# Altium PCB datalogger.PcbDoc (continued)
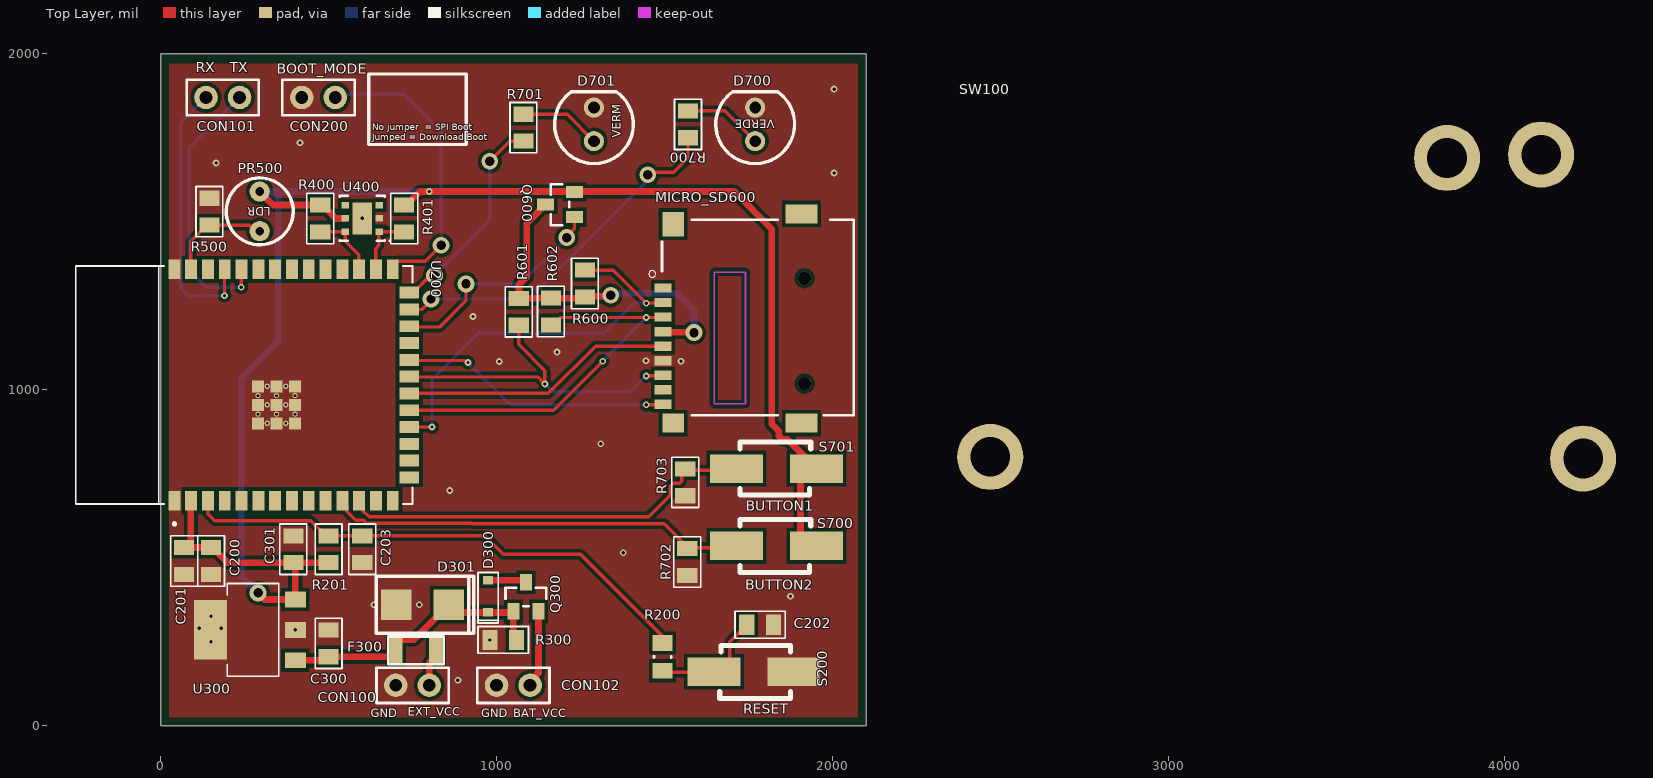
[diagram p0: Top Layer view]
## Part data (continued)
D701: library part CMP-008-000003-1, "LED RED DIFFUSED T-1 3/4 T/H", Case/Package=Radial, Color=Red, Current=60mA, Current - Test=10mA, Forward Current=30mA, Forward Voltage=2V, Manufacturer="Lite-On Inc.", Manufacturer Part Number=LTL-4223, Max Operating Temperature=100°C, Max Power Dissipation=100mW, Millicandela Rating=19mcd, Min Operating Temperature=-55°C, Package Quantity=1000, Reverse Voltage=5V, Supplier Device Package="T-1 3/4", Voltage=3V, Category=Optoelectronics, ComponentLink1Description=http://media.digikey.com/pdf/Data%20Sheets/Lite-On%20PDFs/LTL-4223.pdf, ComponentLink1URL=http://media.digikey.com/pdf/Data%20Sheets/Lite-On%20PDFs/LTL-4223.pdf, ComponentLink2Description=https://datasheet.ciiva.com/2112/ltl-4223-2112280.pdf?src-supplier=Digi-Key, ComponentLink2URL=https://datasheet.ciiva.com/2112/ltl-4223-2112280.pdf?src-supplier=Digi-Key, ComponentLink3Description=https://datasheet.ciiva.com/16205/lite-on20ltl-4223-16205594.pdf?src-supplier=Future+Electronics, ComponentLink3URL=https://datasheet.ciiva.com/16205/lite-on20ltl-4223-16205594.pdf?src-supplier=Future+Electronics, ComponentLink4Description=https://datasheet.ciiva.com/19482/697602-19482428.pdf?src-supplier=Jameco, ComponentLink4URL=https://datasheet.ciiva.com/19482/697602-19482428.pdf?src-supplier=Jameco, Depth=5.6mm, Design Item ID="LED RED DIFF 5MM ROUND T/H", Diameter=5mm, Dominant Wavelength=623nm, Features=-, Height=8.6mm, Height (Max)=8.60mm, Illumination Color=Red, Lead Free="Lead Free", Length=5.6mm, Lens Color=Red, Lens Style=Dome,Diffused,Colored,Circular, Lens Style/Size="Round with Domed Top, 5mm (T-1 3/4), 5.00mm", Lens Transparency=Diffused, Luminous Intensity=19mcd, Mount="Through Hole", Mounting Type="Through Hole", Number of Elements=1, Number of LEDs=1, Number of Pins=2, Package / Case=Radial, Packaging=Bulk, Part Status=Active, Power Dissipation=100mW, Power Rating=100mW, Pricing 1="1=0.36, 10=0.262, 25=0.1932, 100=0.138, 250=0.09384, 500=0.0828, 1000=0.06486, 2500=0.06348, 5000=0.0552 (USD)", Pricing 2="1=0,12000, 10=0,08000, 100=0,07100, 1000=0,06400, 2500=0,05600, 10000=0,05000 (USD)", Radiation Hardening=No, RoHS="RoHS Compliant", Size / Dimension=-, Source=mits.SchLib, Stock 1=32305, Stock 2=9769, Test Current=10mA, Viewing Angle=36°, Voltage - Forward (Vf) (Typ)=2V, Wavelength=635nm, Wavelength - Dominant=623nm, Wavelength - Peak=635nm, Width=5.6mm
F300: library part CMP-005-00014-2, "PTC Resettable Fuse 0.35A(hold) 0.75A(trip) 16VDC 40A 0.4W 0.1s 0.3Ohm SMD Solder Pad 1206 T/R Automotive", Case Code (Imperial)=1206, Case Code (Metric)=3216, Hold Current=350mA, Max Current Rating=40A, Max Operating Temperature=85°C, Min Operating Temperature=-40°C, Package Quantity=1, Trip Current=750mA, Case/Package=1206, Lead Free="Lead Free", Mount="Surface Mount", Packaging="Cut Tape", RoHS Compliant=Yes, Series=0ZCJ, Time to Trip=100ms
MICRO_SD600: library part CMP-030-000000-1, "Standard Card Edge Connectors", Package=Package, Availability="Not in stock", Check_prices=https://www.snapeda.com/parts/TF-01A/HRO+Electronics+Co.%252C+Ltd./view-part/?ref=eda, Component Type=Standard, Design Item ID=TF-01A, MF="HRO Electronics Co., Ltd.", MP=TF-01A, Pin Count=13, Price=None, SnapEDA_Link=https://www.snapeda.com/parts/TF-01A/HRO+Electronics+Co.%252C+Ltd./view-part/?ref=snap, Source=TF-01A.SchLib
PR500: library part CMP-017-000003-1, "THROUGH HOLE PHOTORESISTORS ROHS", Manufacturer 1="JCHL(Shenzhen Jing Chuang He Li Tech)", Manufacturer Part Number 1=GL5506(4-7K), Design Item ID="LDR GL5506(4-7K) SMD", Source=mits.SchLib
Q300 Q600: "Small Low ON Resistance MOSFET P-Channel 20V 6A 3-Pin SOT-23F T/R", Manufacturer=Toshiba, Manufacturer Part Number=SSM3J358R,LF, Category=MOSFETs, ComponentLink1Description=https://datasheet.ciiva.com/30023/dmp31d0u-30023794.pdf?src-supplier=Avnet, ComponentLink1URL=https://datasheet.ciiva.com/30023/dmp31d0u-30023794.pdf?src-supplier=Avnet, Pricing 1="3000=0,10175, 6000=0,09625, 12000=0,09075, 18000=0,08525, 24000=0,07975, 30000=0,07425, 300000=0,06875 (USD)", RoHS=No, Stock 1=12000, Supplier 1=Avnet, Supplier 2=LCSC, Supplier Part Number 1=SSM3J358R,LF, Supplier Part Number 2=C148356
R200: library part CMP-009-00001-6, "Chip Resistor, 0 Ohm, +/- 1%, 125 mW, -55 to 155 degC, 0805 (2012 Metric)", Case/Package=0805, Max Operating Temperature=155°C, Min Operating Temperature=-55°C, Power=125mW, Tolerance=1%, Voltage Rating=150V, Mounting Technology=SM, Pins=2, RoHS Compliant=True
R201 R300 R500 R600 R601 R602: library part CMP-018-000030-1, "RES 0805 10K Ohm 0.1% 1/10W  SMD", Case Code (Imperial)=0805, Case Code (Metric)=2012, Manufacturer="Panasonic Electronic Components", Manufacturer Part Number=ERJ-6ENF1002V, Max Operating Temperature=155°C, Max Power Dissipation=125mW, Min Operating Temperature=-55°C, Number of Resistors=1, Operating Temperature="-55°C ~ 155°C", Package / Case="0805 (2012 Metric)", Package Quantity=5000, Power (Watts)="0.125W, 1/8W", Resistance=10kR, Resistance (Ohms)=10k, Temperature Coefficient=±100ppm/°C, Tolerance=±1%, Voltage Rating=150V, Case/Package=0805, Category=Resistors, ComponentLink1Description=https://industrial.panasonic.com/cdbs/www-data/pdf/RDA0000/AOA0000C283.pdf, ComponentLink1URL=https://industrial.panasonic.com/cdbs/www-data/pdf/RDA0000/AOA0000C283.pdf, ComponentLink2Description=https://datasheet.ciiva.com/11808/0900766b80f80784-11808080.pdf?src-supplier=RSComponents, ComponentLink2URL=https://datasheet.ciiva.com/11808/0900766b80f80784-11808080.pdf?src-supplier=RSComponents, ComponentLink3Description=https://datasheet.ciiva.com/16514/aoa0000ce2-16514021.pdf?src-supplier=Avnet+Asia, ComponentLink3URL=https://datasheet.ciiva.com/16514/aoa0000ce2-16514021.pdf?src-supplier=Avnet+Asia, ComponentLink4Description=https://datasheet.ciiva.com/27055/1988971-27055733.pdf?src-supplier=Jameco, ComponentLink4URL=https://datasheet.ciiva.com/27055/1988971-27055733.pdf?src-supplier=Jameco, ComponentLink5Description=https://datasheet.ciiva.com/16759/70260748-16759350.pdf?src-supplier=Allied+Electronics, ComponentLink5URL=https://datasheet.ciiva.com/16759/70260748-16759350.pdf?src-supplier=Allied+Electronics, ComponentLink6Description=https://datasheet.ciiva.com/16725/70260748-16725031.pdf?src-supplier=Allied+Electronics, ComponentLink6URL=https://datasheet.ciiva.com/16725/70260748-16725031.pdf?src-supplier=Allied+Electronics, ComponentLink7Description=https://datasheet.ciiva.com/46372/1678782-46372714.pdf?src-supplier=Element14, ComponentLink7URL=https://datasheet.ciiva.com/46372/1678782-46372714.pdf?src-supplier=Element14, ComponentLink8Description=https://datasheet.ciiva.com/46372/1678782-46372715.pdf?src-supplier=Element14, ComponentLink8URL=https://datasheet.ciiva.com/46372/1678782-46372715.pdf?src-supplier=Element14, ComponentLink9Description=https://datasheet.ciiva.com/7830/426256-7830745.pdf?src-supplier=Element14, ComponentLink9URL=https://datasheet.ciiva.com/7830/426256-7830745.pdf?src-supplier=Element14, ComponentLink10Description=https://datasheet.ciiva.com/17212/aoa0000ce2-17212108.pdf?src-supplier=Avnet+Europe, ComponentLink10URL=https://datasheet.ciiva.com/17212/aoa0000ce2-17212108.pdf?src-supplier=Avnet+Europe, ComponentLink11Description=https://datasheet.ciiva.com/30140/aoa0000ce2-30140236.pdf?src-supplier=Onlinecomponents.com, ComponentLink11URL=https://datasheet.ciiva.com/30140/aoa0000ce2-30140236.pdf?src-supplier=Onlinecomponents.com, ComponentLink12Description=https://datasheet.ciiva.com/24070/aoa0000ce2-24070702.pdf?src-supplier=Mouser, ComponentLink12URL=https://datasheet.ciiva.com/24070/aoa0000ce2-24070702.pdf?src-supplier=Mouser, ComponentLink13Description=https://datasheet.ciiva.com/16723/70063741-16723029.pdf?src-supplier=Allied+Electronics, ComponentLink13URL=https://datasheet.ciiva.com/16723/70063741-16723029.pdf?src-supplier=Allied+Electronics, ComponentLink14Description=https://datasheet.ciiva.com/24440/eng-ds-1773270-l-24440188.pdf?src-supplier=Onlinecomponents.com, ComponentLink14URL=https://datasheet.ciiva.com/24440/eng-ds-1773270-l-24440188.pdf?src-supplier=Onlinecomponents.com, ComponentLink15Description=https://datasheet.ciiva.com/7731/eng-ds-1773270-l-7731311.pdf?src-supplier=Element14, ComponentLink15URL=https://datasheet.ciiva.com/7731/eng-ds-1773270-l-7731311.pdf?src-supplier=Element14, ComponentLink16Description=https://datasheet.ciiva.com/14181/jcrn73-data-e-14181423.pdf?src-supplier=Distrelec, ComponentLink16URL=https://datasheet.ciiva.com/14181/jcrn73-data-e-14181423.pdf?src-supplier=Distrelec, Composition="Thick Film", Contact Plating=Tin, Depth=1.25mm, Design Item ID="RES 10K OHM 1% 1/8W 0805 SMD", ELV=Compliant, Failure Rate=-, Features="Automotive AEC-Q200", Height=0.6mm, Height - Seated (Max)="0.028\" (0.70mm)", Lead Free="Lead Free", Length=2mm, Military Standard=Not, Mount="Surface Mount", Number of Pins=2, Number of Terminations=2, Packaging="Cut Tape (CT)", Part Status=Active, Power Rating=125mW, Pricing 1="1=0.1, 10=0.036, 25=0.0264, 50=0.02, 100=0.0148, 250=0.01124, 500=0.009, 1000=0.00663 (USD)", Pricing 2="1=1,68000, 10=1,48900, 100=1,13720, 1000=0,73645 (USD)", Radiation Hardening=No, REACH SVHC="No SVHC", RoHS="RoHS Compliant", Size / Dimension="0.079\" L x 0.049\" W (2.00mm x 1.25mm)", Source=mits.SchLib, Stock 1=2392770, Stock 2=1650, Supplier Device Package=0805, Termination=SMD/SMT, Voltage Rating (DC)=150V, Width=0.049inch, Working Voltage=150V
R400 R401: library part CMP-018-000099-1, "RES SMD 10.5K OHM 0.1% 1/8W 0805", Manufacturer="Panasonic Electronic Components", Manufacturer Part Number=ERA-6AEB1052V, Operating Temperature="-55°C ~ 155°C", Package / Case="0805 (2012 Metric)", Power (Watts)="0.125W, 1/8W", Resistance (Ohms)=10.5k, Supplier Device Package=0805, Temperature Coefficient=±25ppm/°C, Tolerance=±0.1%, Category=Resistors, ComponentLink1Description=http://media.digikey.com/pdf/Data%20Sheets/Panasonic%20Electronic%20Components/ERA%201A,2A,3A,6A,8A.pdf, ComponentLink1URL=http://media.digikey.com/pdf/Data%20Sheets/Panasonic%20Electronic%20Components/ERA%201A,2A,3A,6A,8A.pdf, Composition="Thin Film", Design Item ID="RES 10K5 OHM 0.1% 1/8W 0805 SMD", Features="Automotive AEC-Q200", Height="0.024\" (0.60mm)", Number of Terminations=2, Packaging="Cut Tape (CT)", Part Status=Active, Pricing 1="1=0.63, 50=0.2494, 100=0.1924, 250=0.14964, 500=0.10546, 1000=0.07695 (USD)", RoHS="RoHS Compliant", Size / Dimension="0.079\" L x 0.049\" W (2.00mm x 1.25mm)", Source=mits.SchLib, Stock 1=1614
R700 R701: library part CMP-018-000057-1, "RES SMD 220 OHM 5% 1/8W 0805", Manufacturer="Panasonic Electronic Components", Manufacturer 2="UNI-ROYAL(Uniroyal Elec)", Manufacturer Part Number=ERJ-6GEYJ221V, Manufacturer Part Number 2=0805W8F2200T5E, Operating Temperature="-55°C ~ 155°C", Package / Case="0805 (2012 Metric)", Power (Watts)="0.125W, 1/8W", Resistance (Ohms)=220, Supplier Device Package=0805, Temperature Coefficient=±200ppm/°C, Tolerance=±5%, Category=Resistors, ComponentLink1Description=http://industrial.panasonic.com/www-cgi/jvcr13pz.cgi?E+PZ+3+AOA0001+ERJ6GEYJ221V+7+WW, ComponentLink1URL=http://industrial.panasonic.com/www-cgi/jvcr13pz.cgi?E+PZ+3+AOA0001+ERJ6GEYJ221V+7+WW, Composition="Thick Film", Design Item ID="RES 220R OHM 5% 1/8W 0805 SMD", Failure Rate=-, Features="Automotive AEC-Q200", Height - Seated (Max)="0.028\" (0.70mm)", Packaging="Cut Tape (CT)", Part Status=Active, Pricing 1="1=0.1, 10=0.025, 25=0.018, 50=0.0136, 100=0.01, 250=0.00764, 500=0.00612, 1000=0.00451 (USD)", Pricing 2=0.0034, RoHS="RoHS Compliant", Size / Dimension="0.079\" L x 0.049\" W (2.00mm x 1.25mm)", Source=mits.SchLib, Stock 1=118007
R702 R703: library part CMP-018-000026-1, "RES SMD 1K OHM 1% 1/8W 0805", Case Code (Imperial)=0805, Case Code (Metric)=2012, Manufacturer=Yageo, Manufacturer Part Number=RC0805FR-071KL, Max Operating Temperature=155°C, Max Power Dissipation=125mW, Min Operating Temperature=-55°C, Package Quantity=1, Resistance=1kR, Temperature Coefficient=100ppm/°C, Tolerance=1%, Voltage Rating=150V, Case/Package=0805, Category="Chip SMD Resistors", ComponentLink1Description=http://media.digikey.com/pdf/Data%20Sheets/Rohm%20PDFs/MCR10%20(new)%20series.pdf, ComponentLink1URL=http://media.digikey.com/pdf/Data%20Sheets/Rohm%20PDFs/MCR10%20(new)%20series.pdf, ComponentLink2Description=https://datasheet.ciiva.com/2456/pyu-r-int-thick-7-2456976.pdf?src-supplier=Digi-Key, ComponentLink2URL=https://datasheet.ciiva.com/2456/pyu-r-int-thick-7-2456976.pdf?src-supplier=Digi-Key, ComponentLink3Description=https://datasheet.ciiva.com/2456/pyu-r-int-thick-7-2456977.pdf?src-supplier=Digi-Key, ComponentLink3URL=https://datasheet.ciiva.com/2456/pyu-r-int-thick-7-2456977.pdf?src-supplier=Digi-Key, ComponentLink4Description=https://datasheet.ciiva.com/7941/1686128-7941719.pdf?src-supplier=Element14, ComponentLink4URL=https://datasheet.ciiva.com/7941/1686128-7941719.pdf?src-supplier=Element14, ComponentLink5Description=https://datasheet.ciiva.com/16850/rc0805-16850409.pdf?src-supplier=Future+Electronics, ComponentLink5URL=https://datasheet.ciiva.com/16850/rc0805-16850409.pdf?src-supplier=Future+Electronics, ComponentLink6Description=https://datasheet.ciiva.com/46385/444164-46385020.pdf?src-supplier=Element14, ComponentLink6URL=https://datasheet.ciiva.com/46385/444164-46385020.pdf?src-supplier=Element14, ComponentLink7Description=https://datasheet.ciiva.com/2456/pyu-r-int-thick-7-2456975.pdf?src-supplier=Digi-Key, ComponentLink7URL=https://datasheet.ciiva.com/2456/pyu-r-int-thick-7-2456975.pdf?src-supplier=Digi-Key, Composition="Thick Film", Depth=1.25mm, Design Item ID="RES 1K OHM 1% 1/8W 0805 SMD", Features="Moisture Resistant", Height=0.024inch, Lead Free="Lead Free", Length=0.079inch, Military Standard=Not, Number of Pins=2, Number of Terminations=2, Packaging="Tape and Reel", Power Rating=125mW, Pricing 1="1=0,10000, 10=0,04000, 100=0,01630, 1000=0,00731, 2500=0,00635 (USD)", REACH SVHC=Unknown, RoHS=Yes, Source=mits.SchLib, Stock 1=24108233, Termination=SMD/SMT, Voltage Rating (DC)=150V, Width=0.049inch
S200 S700 S701: library part CMP-019-000011-1, "Switch Tactile N.O. SPST Rectangular Button J-Lead 0.05A 12VDC 2.55N SMD T/R", Current Rating=50mA, Manufacturer=E-Switch, Manufacturer Part Number=TL3302BF260QJ, Max Operating Temperature=70°C, Min Operating Temperature=-20°C, Operating Force=260gf, Package Quantity=1, Voltage Rating (DC)=12V, Actuator Material=Polyphenylene, Category="Tactile Switches", ComponentLink1Description=https://datasheet.ciiva.com/2900/p020333b-2900880.pdf?src-supplier=Digi-Key, ComponentLink1URL=https://datasheet.ciiva.com/2900/p020333b-2900880.pdf?src-supplier=Digi-Key, Contact Plating=Silver, Design Item ID="SWITCH TACTILE SPST-NO 0.05A 12V SMD", Illumination Type=Non-Illuminated, Lead Free="Lead Free", Mechanical Life=30000Cycles, Mount="Surface Mount", Packaging="Tape and Reel", Pricing 1="1=0,82000, 10=0,79300, 25=0,74120, 100=0,64360, 250=0,58564, 500=0,54294 (USD)", RoHS=Yes, RoHS Compliant=Yes, Series=TL3302, Size=11.4mm, Source=mits.SchLib, Stock 1=19576, Switch Function=Off-Mom, Switch Travel=0.25mm, Termination="Gull Wing", Throw Configuration=SPST
SW100: library part 4AAA_battery_holder, "Enclosure; Accessory; Battery Holder; Polypropylene; 26ga. 6in Leads; 4-AA; 4 * AA Battery Electronic Plastic Battery Case Storage Shell Box Holder with Wire Leads", Color=Black, Manufacturer="Bud Industries", Manufacturer Part Number=HH-3633, Package Quantity=1, Supplier Part Number 1=34M2187, Body Material=Polypropylene, Category="Batteries and Accessories", ComponentLink1Description=https://datasheet.ciiva.com/4628/hb3633-36618-4628665.pdf?src-supplier=Mouser, ComponentLink1URL=https://datasheet.ciiva.com/4628/hb3633-36618-4628665.pdf?src-supplier=Mouser, ComponentLink2Description=https://datasheet.ciiva.com/16495/hb3633-16495410.pdf?src-supplier=Future+Electronics, ComponentLink2URL=https://datasheet.ciiva.com/16495/hb3633-16495410.pdf?src-supplier=Future+Electronics, ComponentLink3Description=https://datasheet.ciiva.com/1438/1807993-1438161.pdf?src-supplier=Newark, ComponentLink3URL=https://datasheet.ciiva.com/1438/1807993-1438161.pdf?src-supplier=Newark, Lead Free="Lead Free", Material=PP,Polypropylene, Mount=Chassis, Number of Batteries=4, Number of Cells=4, Pricing 1="1=3,20000, 10=3,07000, 25=2,94000, 50=2,80000, 100=2,67000, 250=2,40000 (USD)", REACH SVHC=Unknown, RoHS=Yes, Stock 1=555, Supplier 1=Newark, Termination="Wire Leads", Weight=0.43oz
U200: library part "IC ESP32 S3 WROOM-1_v2", "SMD Module, ESP32-S3R2 With 8 MB of Flash", Manufacturer="Espressif Systems", Manufacturer Part Number=ESP32-S3-WROOM-1-N8, Package=Package, Supplier Part Number 1=1965-ESP32-S3-WROOM-1-N8CT-ND, Availability="Not in stock", Category=Uncategorized, Check_prices=https://www.snapeda.com/parts/ESP32-S3-WROOM-1U/Espressif+Systems/view-part/?ref=eda, MF="Espressif Systems", Price=None, Pricing 1="1=3,63000 (USD)", RoHS=No, SnapEDA_Link=https://www.snapeda.com/parts/ESP32-S3-WROOM-1U/Espressif+Systems/view-part/?ref=snap, Stock 1=659, Supplier 1=Digi-Key
U300: "IC REG LDO 3.3V 1A SOT223", Case/Package=TO-261-4, Dropout Voltage=450mV, Manufacturer=Diodes, Manufacturer Part Number=AP2114HA-3.3TRG1, Max Input Voltage=6V, Max Operating Temperature=85°C, Max Output Current=1A, Min Input Voltage=2.5V, Min Operating Temperature=-40°C, Output Voltage=3.3V, Package Quantity=4000, Quiescent Current=90uA, Supplier Part Number 1=AP2114HA-3.3TRG1DICT-ND, Accuracy=1.5%, Category="Voltage Regulators - Linear", ComponentLink1Description=https://datasheet.ciiva.com/29568/ap2114-29568886.pdf?src-supplier=Digi-Key, ComponentLink1URL=https://datasheet.ciiva.com/29568/ap2114-29568886.pdf?src-supplier=Digi-Key, Contact Plating=Tin, Mount="Surface Mount", Number of Outputs=1, Number of Pins=3, Number of Regulators=1, Output Current=1A, Output Type=Fixed, Packaging="Tape and Reel", Polarity=Positive, Pricing 1="1=0,39000, 10=0,31700, 25=0,29000, 100=0,21570, 250=0,19552, 500=0,16180, 1000=0,12135 (USD)", RoHS=Yes, RoHS Compliant=Yes, Stock 1=1890, Supplier 1=Digi-Key
U400: library part CMP-023-000042-1, "SENSOR HUMI/TEMP 3.3V I2C 4% SMD", Manufacturer 1="Texas Instruments", Manufacturer Part Number 1=HDC1080DMBR, Max Operating Temperature=125°C, Max Supply Voltage=5.5V, Min Operating Temperature=-40°C, Min Supply Voltage=2.7V, Accuracy=2%, Category="Integrated Circuits (ICs)", ComponentLink1Description=http://www.ti.com/lit/ds/symlink/hdc1080.pdf?src-supplier=Digi-Key, ComponentLink1URL=http://www.ti.com/lit/ds/symlink/hdc1080.pdf?src-supplier=Digi-Key, ComponentLink2Description=http://www.ti.com/general/docs/suppproductinfo.tsp?distId=10&amp;gotoUrl=http%3A%2F%2Fwww.ti.com%2Flit%2Fgpn%2Fhdc1080&src-supplier=Digi-Key, ComponentLink2URL=http://www.ti.com/general/docs/suppproductinfo.tsp?distId=10&amp;gotoUrl=http%3A%2F%2Fwww.ti.com%2Flit%2Fgpn%2Fhdc1080&src-supplier=Digi-Key, ComponentLink3Description=http://www.ti.com/lit/ds/symlink/hdc1080.pdf?src-supplier=Avnet+Asia, ComponentLink3URL=http://www.ti.com/lit/ds/symlink/hdc1080.pdf?src-supplier=Avnet+Asia, Contact Plating=Gold, Design Item ID="IC HDC1080 TEMP/HUMID SENSOR 6-PWSON", Interface=I2C, Lead Free="Lead Free", Mount="Surface Mount", Output Type=I2C,Voltage, Pricing 1="1=2,81800, 10=2,40190, 30=2,29790, 100=2,16440, 500=2,10100, 1000=2,08970, 1=2,69760, 10=2,29930, 30=2,19960, 100=2,07190, 500=2,01120, 1000=2,00040, 1=14,08600, 10=12,00600, 30=11,48590, 100=10,81860, 500=10,50210, 1000=10,44560, 1=13,56590, 10=11,56280, 30=11,06190, 100=10,41920, 500=10,11440, 1000=10,06000, 1=1,82390, 10=1,55460, 30=1,48720, 100=1,40080, 500=1,35990, 1000=1,35250, 1=1,55080, 10=1,32180, 30=1,26460, 100=1,19110, 500=1,15630, 1000=1,15000, 1=16,67800, 10=14,21530, 30=13,59950, 100=12,80940, 500=12,43460, 1000=12,36770, 1=237,44120, 10=202,38070, 30=193,61280, 100=182,36520, 500=177,02920, 1000=176,07710, 1=8,88030, 10=7,56900, 30=7,24110, 100=6,82040, 500=6,62090, 1000=6,58530, 1=163,93950, 10=139,73230, 30=133,67860, 100=125,91270, 500=122,22850, 1000=121,57110, 1=18,70970, 10=15,94710, 30=15,25620, 100=14,36990, 500=13,94940, 1000=13,87440, 1=2,88620, 10=2,46000, 30=2,35340, 100=2,21670, 500=2,15180, 1000=2,14030, 1=2,14480, 10=1,82810, 30=1,74890, 100=1,64730, 500=1,59910, 1000=1,59050 (AUD)", Response Time=15s, RoHS=Yes, RoHS Compliant=Yes, Sensor Type=Temperature, Source=mits.SchLib, Stock 1=72

## Via types
v1: diameter 20, hole 10, Top Layer to Bottom Layer, 34 vias
v2: diameter 50, hole 28, Top Layer to Bottom Layer, 10 vias

## Nets (pads, with @x,y where several pads share a name; then routed paths per layer and width w, separated by ;. In a path a pad name is that pad's centre, name@x,y a point inside that pad or via, vN(x,y) a via of type N, cw(c..) or ccw(c..) an arc to the next point about the centre after c; other vN are vias at no path point)
3V3: C200.1 C201.2 C301.2 PR500.1 Q600.2 R201.2 R400.2 R401.2 S700.2 S701.2 U200.2 U300.3 U400.5 | length 5044.8
  Top Layer w20: C201.2 C200.1 153.75,530 198.75,485 C301.2 ; C201.2@90,550 90,668.5 U200.2 ; v2(290,395) 309.45,375.55 U300.3 400.98,479.02 C301.2 ; PR500.1 335,1550 R400.2 482.5,1550 522.5,1510 U400.5 U400.5@550,1510 ; R201.2 C301.2 ; R401.2 732.5,1550 772.5,1590 v1(800,1590) 1232.31,1590 1708.28,1590 1819,1479.28 1819,898.8 1839.92,877.87 1839.92,863.7 1851.64,851.99 1865.81,851.99 S701.2 ; S700.2@1905,530 1905,764.45 1905.55,765 S701.2@1918.05,765
  Bottom Layer w20: v2(290,395) 240,445 240,1035 350,1145 350,1568.75 328.75,1590 ; PR500.1 328.75,1590 ; v1(800,1590) 328.75,1590
3V3_SD: MICRO_SD600.4 Q600.3 R600.2 R601.2 R602.2 | length 1026.3
  Top Layer w20: Q600.3 1090,1495.31 1090,1335.92 1066.86,1312.78 1066.86,1272.86 R601.2 1162,1272 1263,1272 1269.5,1278.5 1337.5,1278.5 v2(1340,1281) ; MICRO_SD600.4@1499.35,1176.65 MICRO_SD600.4 1497,1171.43 1586.57,1171.43 v2(1588,1170)
  Bottom Layer w20: v2(1340,1281) 1345.74,1286.74 1366.46,1286.74 1366.72,1287 1537,1287 1588,1236 v2(1588,1170)
3V3BAT: D300.A Q300.3 | length 115.2
  Top Layer w20: D300.A 1081.21,433 Q300.3
BT1: R703.1 S701.1 U200.12 | length 1244.2
  Top Layer w10: U200.12 603.66,656.73 603.66,638.27 620.44,621.5 1452.5,621.5 1516.81,685.81 1516.81,712.9 1525.6,721.69 1545.14,721.69 1551,727.54 1551,746.69 1564.31,760 S701.1@1720,760
BT2: R702.2 S700.1 U200.11 | length 1238.9
  Top Layer w10: U200.11 553.66,656.73 553.66,638.27 580.94,611 604.07,611 612.57,602.5 925.58,602.5 927.08,601 1499,601 R702.2@1573,527 ; R702.2@1573,530 S700.1@1710,530
CD: MICRO_SD600.CD1 U200.22 | length 811.4
  Top Layer w10: U200.22 742.09,1087 906.29,1087 912.29,1081 v1(915,1081) ; v1(1446,955) 1446.67,955.67 1494.9,955.67 MICRO_SD600.CD1
  Bottom Layer w10: v1(915,1081) 1041,955 v1(1446,955)
CLK: MICRO_SD600.5 U200.20 | length 813.7
  Top Layer w10: U200.20 1154.29,988.94 1294.91,1129.56 MICRO_SD600.5
CMD: MICRO_SD600.3 R602.1 U200.19 | length 1163.4
  Top Layer w10: U200.19 1169.94,938.94 v1(1316,1085) ; R602.1 1169.5,1193 1191.5,1215 1494.39,1215 MICRO_SD600.3
  Bottom Layer w10: v1(1316,1085) v1(1446,1215)
D0: MICRO_SD600.7 R601.1 U200.21 | length 1001.6
  Top Layer w10: U200.21 741.09,1038 1123,1038 v1(1144,1017) 1144,1056.75 1066,1134.75 R601.1 ; v1(1446,1041) 1446.97,1041.97 1494.59,1041.97 MICRO_SD600.7
  Bottom Layer w10: v1(1144,1017) 1167,994 1399,994 v1(1446,1041)
D3: MICRO_SD600.2 R600.1 U200.18 | length 1216.9
  Top Layer w10: U200.18 740.22,889 v1(808,889) ; R600.1 1347,1356 v1(1446,1257) 1447.24,1258.24 1494.33,1258.24 MICRO_SD600.2
  Bottom Layer w10: v1(808,889) 808,1031 945,1168 1318.64,1168 1408.64,1258 1445,1258 v1(1446,1257)
ENABLE: C203.2 R200.2 R201.1 U200.3 | length 1551.4
  Top Layer w10: U200.3 U200.3 140.89,630.78 161.67,610 447.5,610 492.5,565 R201.1 C203.2 965.18,565 1020.18,510 1250,510 R200.2@1500.04,259.96
GND: C200.2 C201.1 C202.1 C203.1 C300.1 C301.1 CON100.1 CON102.1 CON200.1 D301.2 D700.K D701.K MICRO_SD600.6 R300.1 R500.1 R702.1 R703.2 S200.1 U200.1 U200.40 U200.41[1...9] U300.2 U400.2
  other v1: 885,135 150,250 980,255 400.98,285 115,290 180,290 150,325 635,360 770,360 1875,385 1377,515 861,700 1310,839 1008,1084 1549,1085 1445,1086 1180,1112 930,1218 2005,1645 165,1675 415,1735 2005,1895
GPIO0: CON200.2 U200.27 | length 885.3
  Top Layer w10: U200.27 690.94,1370.24 703.66,1382.95 787.95,1382.95 v2(835,1430)
  Bottom Layer w10: CON200.2 530,1880 725,1880 835,1770 v2(835,1430)
GRN: R700.2 U200.25 | length 1091.1
  Top Layer w10: U200.25 778.94,1238.94 v2@810,1270 ; v2(1450,1640) 1457.65,1647.65 1527.65,1647.65 1570,1690 R700.2
  Bottom Layer w10: v2(805,1270) 1096,1270 1442.35,1616.35 1442.35,1632.35 v2(1450,1640)
LDR_DATA: PR500.2 R500.2 U200.39 | length 310.5
  Top Layer w10: U200.39@90,1360 90,1442.5 137.5,1490 R500.2 263.36,1490 283.36,1470 PR500.2@290,1470
NetC202_2: C202.2 R200.1 S200.2 | length 354.4
  Top Layer w10: R200.1@1494.19,158.66 1678.66,158.66 S200.2@1685,165 ; S200.2@1694.45,160 1694.45,249.45 C202.2
NetD700_A: D700.A R700.1 | length 237.3
  Top Layer w10: R700.1 1680,1830 D700.A
NetD701_A: D701.A R701.1 | length 253.1
  Top Layer w10: R701.1 1210,1820 D701.A D701.A@1290,1730
RED: R701.2 U200.26 | length 634.2
  Top Layer w10: U200.26 751.97,1288.94 803.03,1340 v2(815,1340) v2@820,1340 ; v2(980,1680) 1040,1740 R701.2
  Bottom Layer w10: v2(815,1340) 980,1505 v2(980,1680)
RXD0: CON101.2 U200.37 | length 818.2
  Top Layer w10: v1(190,1280) 190,1357.48 U200.37
  Bottom Layer w10: CON101.2 60,1795 60,1300 80,1280 v1(190,1280)
SCL_SENSOR: R400.1 U200.29 U400.6 | length 203
  Top Layer w10: R400.1 475.63,1470.63 U400.6 U400.6 ; U400.6@550,1470 U400.6 ; U200.29@590,1360 590,1401.1 549.41,1441.69 U400.6
SD_EN: Q600.1 U200.24 | length 674.5
  Top Layer w10: U200.24@744.69,1186.66 831.24,1186.66 909,1264.43 v2(909,1315) ; v2(1209,1453) 1209,1457.57 1232.31,1480.88 Q600.1
  Bottom Layer w10: v2(909,1315) 1071,1315 v2(1209,1453)
SDA_SENSOR: R401.1 U200.28 U400.1 | length 189.2
  Top Layer w10: U200.28@640,1360 640,1420 649.61,1429.61 U400.1@649.61,1470.63 ; U400.1 724.37,1470.63 R401.1
TDO: U200.33
TMS: U200.35
TXD0: CON101.1 U200.36 | length 806.7
  Top Layer w10: v1(240,1305) 240,1357.48 U200.36
  Bottom Layer w10: CON101.1 85,1720 85,1355 135,1305 v1(240,1305)
VCC_BAT: CON102.2 Q300.2 | length 216.9
  Top Layer w20: CON102.2@1102.72,132.28 1102.72,134.43 1125,156.72 Q300.2
VCC_EXT: CON100.2 F300.1 | length 111.9
  Top Layer w20: CON100.2 800,187.28 819,206.28 F300.1
VCC_EXTERNAL: C300.2 D300.K D301.1 F300.2 Q300.1 R300.2 U300.1 | length 835.6
  Top Layer w20: U300.1 489.45,194.45 C300.2 686.2,205 700.89,219.69 F300.2 700.89,241.72 715.57,256.4 754.4,256.4 D301.1 881,337 D300.K 1047.2,337 Q300.1 1050,339.8 R300.2@1050,265 ; F300.2@700.94,218.44 F300.2@700.94,230 ; R300.2 R300.2@1060,262.5
pads on no net: MICRO_SD600. MICRO_SD600.1 MICRO_SD600.8 MICRO_SD600.MP1 MICRO_SD600.MP2 MICRO_SD600.MP3 MICRO_SD600.MP4 SW100. SW100.1 SW100.2 U200.4 U200.5 U200.6 U200.7 U200.8 U200.9 U200.10 U200.13 U200.14 U200.15 U200.16 U200.17 U200.23 U200.30 U200.31 U200.32 U200.34 U200.38 U400.3 U400.4 U400.7
copper on no net:
  other v1: 600,1510

## Polygon pours and split planes (outlines as drawn)
GND on Bottom Layer "GND_L02_P001" (solid, pour order 1): 25,1970 2075,1970 2075,25 25,25
GND on Top Layer "GND_L01_P000" (solid, pour order 0): 25,25 25,1970 2075,1970 2075,25

## Keep-outs
Bottom Layer:
  region: 570,1557 630,1557 630,1463 570,1463

## Silkscreen, mask and mechanical layers (free items; w line width, h text height)
Top Overlay:
  lines w10: 620,1730 910,1730 910,1940 620,1940 620,1730
  text "RX" at 105,1945 h30
  text "TX" at 205,1945 h30
  text "BOOT_MODE" at 345,1940 h30
  text "No jumper  = SPI Boot  / Jumped = Download Boot" at 630,1742.71 h20
  text "BUTTON1" at 1742,640 h30
  text "BUTTON2" at 1740,404 h30
  text "RESET" at 1735,35 h30
  text "EXT_VCC" at 735,29.17 h25
  text "GND" at 625,25 h25
  text "GND" at 955,25 h25
  text "BAT_VCC" at 1050,24.17 h25
Mechanical 1:
  the board outline again, w10

## Dimensions
0,2000 to -50,0 on Top Overlay
0,0 to 2100,0 on Top Overlay

## Text inside footprints (layer, text, board x,y; h text height)
D700: Top Overlay "VERDE" at 1828.31,1803.04 h25 r180
D701: Top Overlay "VERM" at 1370,1750 h25 r90
PR500: Top Overlay "LDR" at 328.07,1542.76 h25 r180